# KiCad board DragSeeedXiao.kicad_pcb
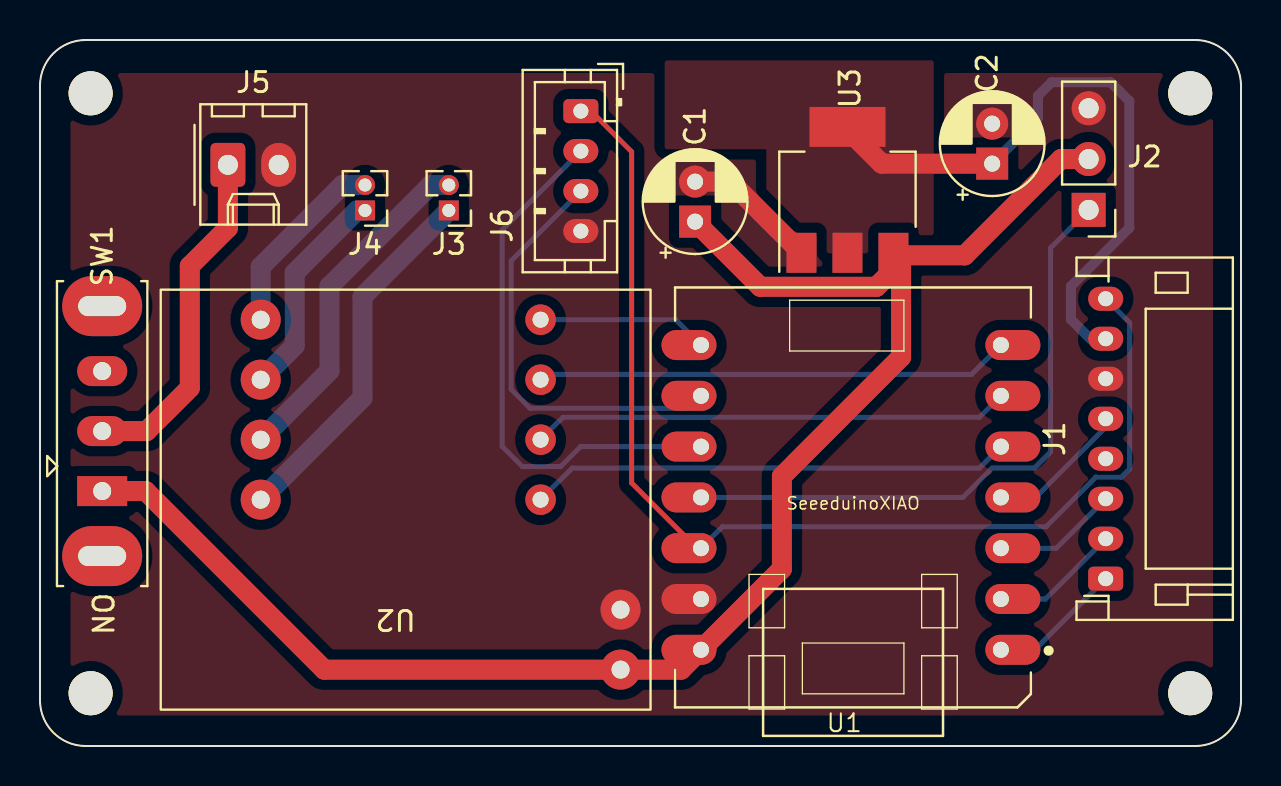
[diagram p0: board, top side]
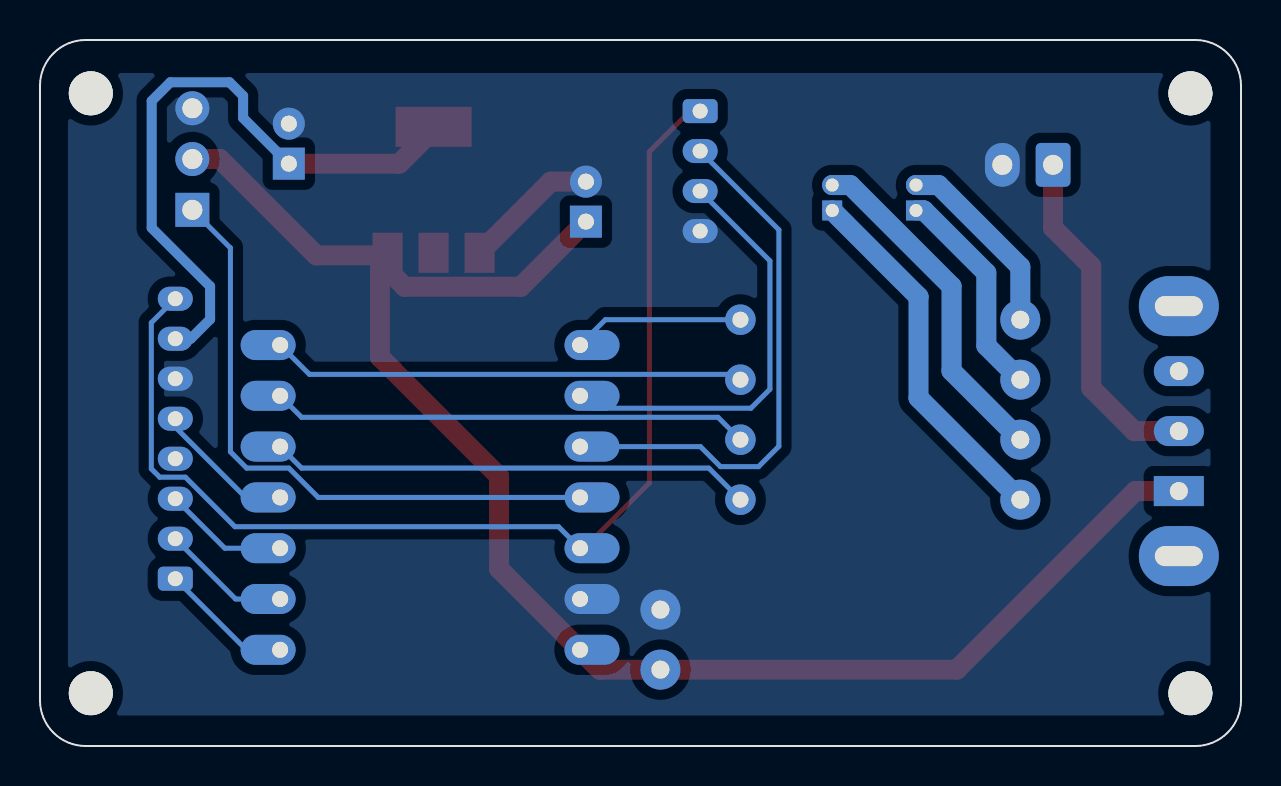
[diagram p1: board, bottom side, seen from below]

Outline 60.07 x 35.31 mm; copper layers: Top, Bottom. Coordinates in mm from the lower left corner of the outline.
Outline path: 0,33.02 arc(0.67,34.64) 2.29,35.31 57.79,35.31 arc(59.4,34.64) 60.07,33.02 60.07,2.29 arc(59.4,0.67) 57.79,0 2.29,0 arc(0.67,0.67) 0,2.29 0,33.02
Stack: Top 0.035mm / dielectric 1.51mm FR4 er 4.5 / Bottom 0.035mm

## Placement (name value [footprint] x y rotation side)
C1  10uF  [CP_Radial_D5.0mm_P2.00mm]  32.77 26.22 90 top
C2  10uF  [CP_Radial_D5.0mm_P2.00mm]  47.63 29.12 90 top
J1  Sensors  [JST_PH_S8B-PH-K_1x08_P2.00mm_Horizontal]  53.3 8.37 90 top
J2  Servo  [PinHeader_1x03_P2.54mm_Vertical]  52.45 26.81 180 top
J3  M1  [PinHeader_1x02_P1.27mm_Vertical]  20.45 26.78 180 top
J4  M2  [PinHeader_1x02_P1.27mm_Vertical]  16.26 26.78 180 top
J5  Battery  [Molex_KK-254_AE-6410-02A_1x02_P2.54mm_Vertical]  9.4 29.06 0 top
J6  Encoder  [JST_PH_B4B-PH-K_1x04_P2.00mm_Vertical]  27.05 31.75 270 top
REF**  -  [MountingHole_2.2mm_M2]  57.53 32.64 0 top
REF**1  -  [MountingHole_2.2mm_M2]  2.53 32.64 0 top
REF**2  -  [MountingHole_2.2mm_M2]  57.53 2.64 0 top
REF**3  -  [MountingHole_2.2mm_M2]  2.53 2.64 0 top
SW1  Power  [SW_Slide_1P1T_Power-Neil]  3.11 12 90 top
U1  SeeeduinoXIAO  [Seeeduino XIAO-MOUDLE-THP-14P-2.54-21X17.8MM]  49.56 22.93 180 top
U2  MX1508X  [mx1508x]  15.54 11.32 180 top
U3  NCP1117-3.3  [SOT-223-3_TabPin2]  40.39 27.81 90 top

## Footprints (pads in the part's own frame, mm; a bottom-side part is the same pattern mirrored in y, then rotated)
CP_Radial_D5.0mm_P2.00mm
  rect 1.6x1.6 hole 0.8: 1(0,0)
  round 1.6 hole 0.8: 2(2,0)
JST_PH_B4B-PH-K_1x04_P2.00mm_Vertical
  rrect 1.2x1.75 hole 0.75: 1(0,0)
  oval 1.2x1.75 hole 0.75: 2(2,0) 3(4,0) 4(6,0)
JST_PH_S8B-PH-K_1x08_P2.00mm_Horizontal
  rrect 1.2x1.75 hole 0.75: 1(0,0)
  oval 1.2x1.75 hole 0.75: 2(2,0) 3(4,0) 4(6,0) 5(8,0) 6(10,0) 7(12,0) 8(14,0)
Molex_KK-254_AE-6410-02A_1x02_P2.54mm_Vertical
  rrect 1.74x2.19 hole 1: 1(0,0)
  oval 1.74x2.19 hole 1: 2(2.54,0)
MountingHole_2.2mm_M2
  round 2.2 hole 2.2 unplated: (0,0)
mx1508x
  round 1.524 hole 0.8: 1(-9.5,-1) 2(-9.5,-4) 3(-9.5,-7) 4(-9.5,-10)
  round 2 hole 0.9: 5(4.5,-1) 6(4.5,-4) 7(4.5,-7) 8(4.5,-10) 9(-13.5,7.5) 10(-13.5,4.5)
PinHeader_1x02_P1.27mm_Vertical
  rect 1x1 hole 0.65: 1(0,0)
  oval 1x1 hole 0.65: 2(0,-1.27)
PinHeader_1x03_P2.54mm_Vertical
  rect 1.7x1.7 hole 1: 1(0,0)
  oval 1.7x1.7 hole 1: 2(0,-2.54) 3(0,-5.08)
Seeeduino XIAO-MOUDLE-THP-14P-2.54-21X17.8MM
  oval 2.75x1.5 hole 0.8: 1(1.5,18.118) 2(1.5,15.578) 3(1.5,13.038) 4(1.5,10.498) 5(1.5,7.958) 6(1.5,5.418) 7(1.5,2.878) 8(16.5,2.878) 9(16.5,5.418) 10(16.5,7.958) 11(16.5,10.498) 12(16.5,13.038) 13(16.5,15.578) 14(16.5,18.118)
SOT-223-3_TabPin2
  rect 2x1.5 smd: 1(-3.15,2.3) 2(-3.15,0) 3(-3.15,-2.3)
  rect 2x3.8 smd: 2(3.15,0)
SW_Slide_1P1T_Power-Neil
  oval 3x4 hole 1x2.4: (-2.5,0) (10,0)
  rect 1.5x2.5 hole 0.9: 1(0.75,0)
  oval 1.5x2.5 hole 0.9: 2(3.75,0) 3(6.75,0)

## Nets
+3.3VP: C2.1 J1.7 U3.2
+3V3: J1.8 J6.1 U1.12
GND: C1.2 C2.2 J1.6 J2.3 J5.2 J6.4 U1.13 U2.10 U3.1
+BATT: C1.1 J2.2 SW1.1 U1.14 U2.9 U3.3
Net-(J1-Pad1): J1.1 U1.1
Net-(J1-Pad2): J1.2 U1.2
Net-(J1-Pad3): J1.3 U1.3
Net-(J1-Pad5): J1.5 U1.4
Net-(J2-Pad1): J2.1 U1.11
Net-(J3-Pad1): J3.1 U2.5
Net-(J3-Pad2): J3.2 U2.6
Net-(J4-Pad1): J4.1 U2.7
Net-(J4-Pad2): J4.2 U2.8
Net-(J5-Pad1): J5.1 SW1.2
Net-(J6-Pad2): J6.2 U1.10
Net-(J6-Pad3): J6.3 U1.9
Net-(U1-Pad5): U1.5 U2.1
Net-(U1-Pad6): U1.6 U2.2
Net-(U1-Pad7): U1.7 U2.3
Net-(U1-Pad8): U1.8 U2.4

Pads without a net: J1 4; SW1 3

## Routing (per net, layer and track width the routed paths; a pad name or vN(x,y) marks a point on that pad's centre or on a via; arc(x,y) is an arc through that point)
+3.3VP: length 31.8
  Top w1: C2.1 42.1,29.12 40.39,30.84
  Bottom w0.5: C2.1 49.91,31.41 49.91,32.51 50.59,33.19 53.55,33.19 54.48,32.26 54.48,25.91 51.56,22.99 51.56,21.34 52.53,20.37 J1.7
+3V3: length 56.9
  Top w0.25: U1.12 32.86,9.89 29.59,13.16 29.59,29.72 27.56,31.75 J6.1
  Bottom w0.25: U1.12 34.14,10.97 50.32,10.97 52.8,13.44 54.08,13.44 54.5,13.86 54.5,21.17 J1.8
GND: length 6.8
  Top w1: C1.2 34.53,28.22 U3.1
+BATT: length 82.3
  Top w1: SW1.1 5.29,12.75 14.22,3.82 U2.9 32.07,3.82 U1.14 37.11,8.86 37.11,13.49 43.07,19.45 43.07,24.15 42.69,24.54 46.25,24.54 51.07,29.35 J2.2 ; C1.1 36.03,22.96 41.84,22.96 42.69,23.81 U3.3
Net-(J1-Pad1): length 6.7
  Bottom w0.25: U1.1 49.75,4.81 J1.1
Net-(J1-Pad2): length 6.5
  Bottom w0.25: U1.2 50.29,7.35 J1.2
Net-(J1-Pad3): length 6.3
  Bottom w0.25: U1.3 50.83,9.89 J1.3
Net-(J1-Pad5): length 7.1
  Bottom w0.25: U1.4 49.79,12.43 53.3,15.95 J1.5
Net-(J2-Pad1): length 31.3
  Bottom w0.25: J2.1 50.55,24.91 50.55,14.71 49.73,13.9 47.62,13.9 46.16,12.43 U1.11
Net-(J3-Pad1): length 18.4
  Bottom w1: U2.5 16.13,17.41 16.13,22.46 J3.1
Net-(J3-Pad2): length 17.2
  Bottom w1: J3.2 19.54,28.05 14.48,22.99 14.48,18.76 U2.6
Net-(J4-Pad1): length 10.9
  Bottom w1: U2.7 12.74,20.02 12.74,23.66 15.86,26.78 J4.1
Net-(J4-Pad2): length 9.6
  Bottom w1: J4.2 15.13,28.05 11.04,23.96 U2.8
Net-(J5-Pad1): length 17.2
  Top w1: SW1.2 5.33,15.75 7.49,17.91 7.49,24 9.4,25.91 J5.1
Net-(J6-Pad2): length 27.2
  Bottom w0.25: U1.10 27.04,14.97 26.04,13.97 24.13,13.97 23.12,14.99 23.12,25.81 27.05,29.75
Net-(J6-Pad3): length 21.5
  Bottom w0.25: U1.9 32.44,16.89 24.51,16.89 23.56,17.84 23.56,24.26 J6.3
Net-(U1-Pad5): length 24.1
  Bottom w0.25: U1.5 46.99,13.9 26.62,13.9 U2.1
Net-(U1-Pad6): length 23.9
  Bottom w0.25: U2.2 26.16,16.44 46.99,16.44 U1.6
Net-(U1-Pad7): length 23.7
  Bottom w0.25: U1.7 46.6,18.59 25.31,18.59 U2.3
Net-(U1-Pad8): length 8.5
  Bottom w0.25: U1.8 31.79,21.32 U2.4

## Copper pours and planes (outline as drawn; the poured copper is in the pictures)
+3.3VP on Top: 44.7,24.64 36.32,24.64 36.32,29.84 31.24,29.84 31.24,34.29 44.7,34.29
GND on Top, Bottom: 58.67,1.52 1.52,1.52 1.52,33.66 58.67,33.66
